# Altium PCB BOARD.PcbDoc
Units mm, origin at the board's own origin, x right, y up, seen from the top; angles counter-clockwise.
Board outline 13 x 11 mm, 2 copper layers (Top Layer, Bottom Layer), stack 1.18 mm thick; 15 components, 9 nets, 48 pads, 30 vias.
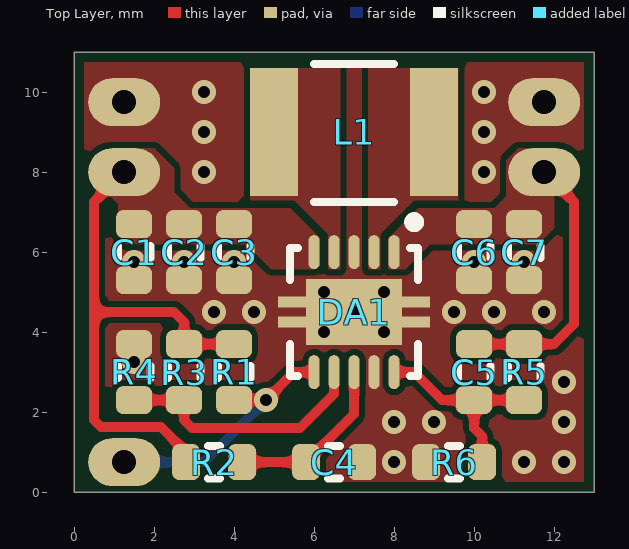
[diagram p0: Top Layer view]
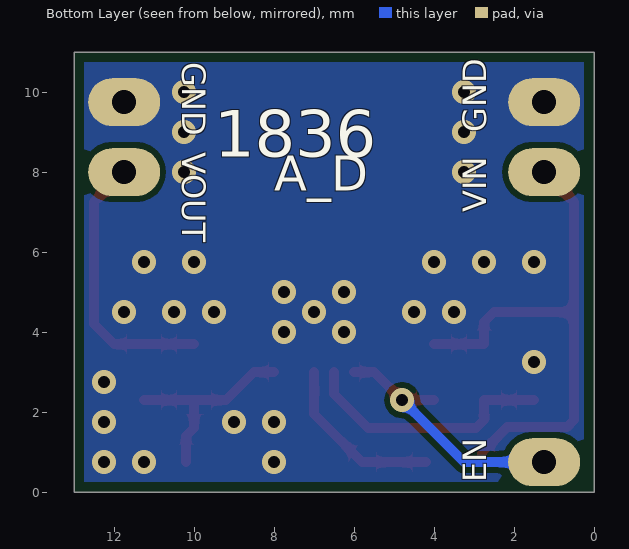
[diagram p1: Bottom Layer view, seen from below]
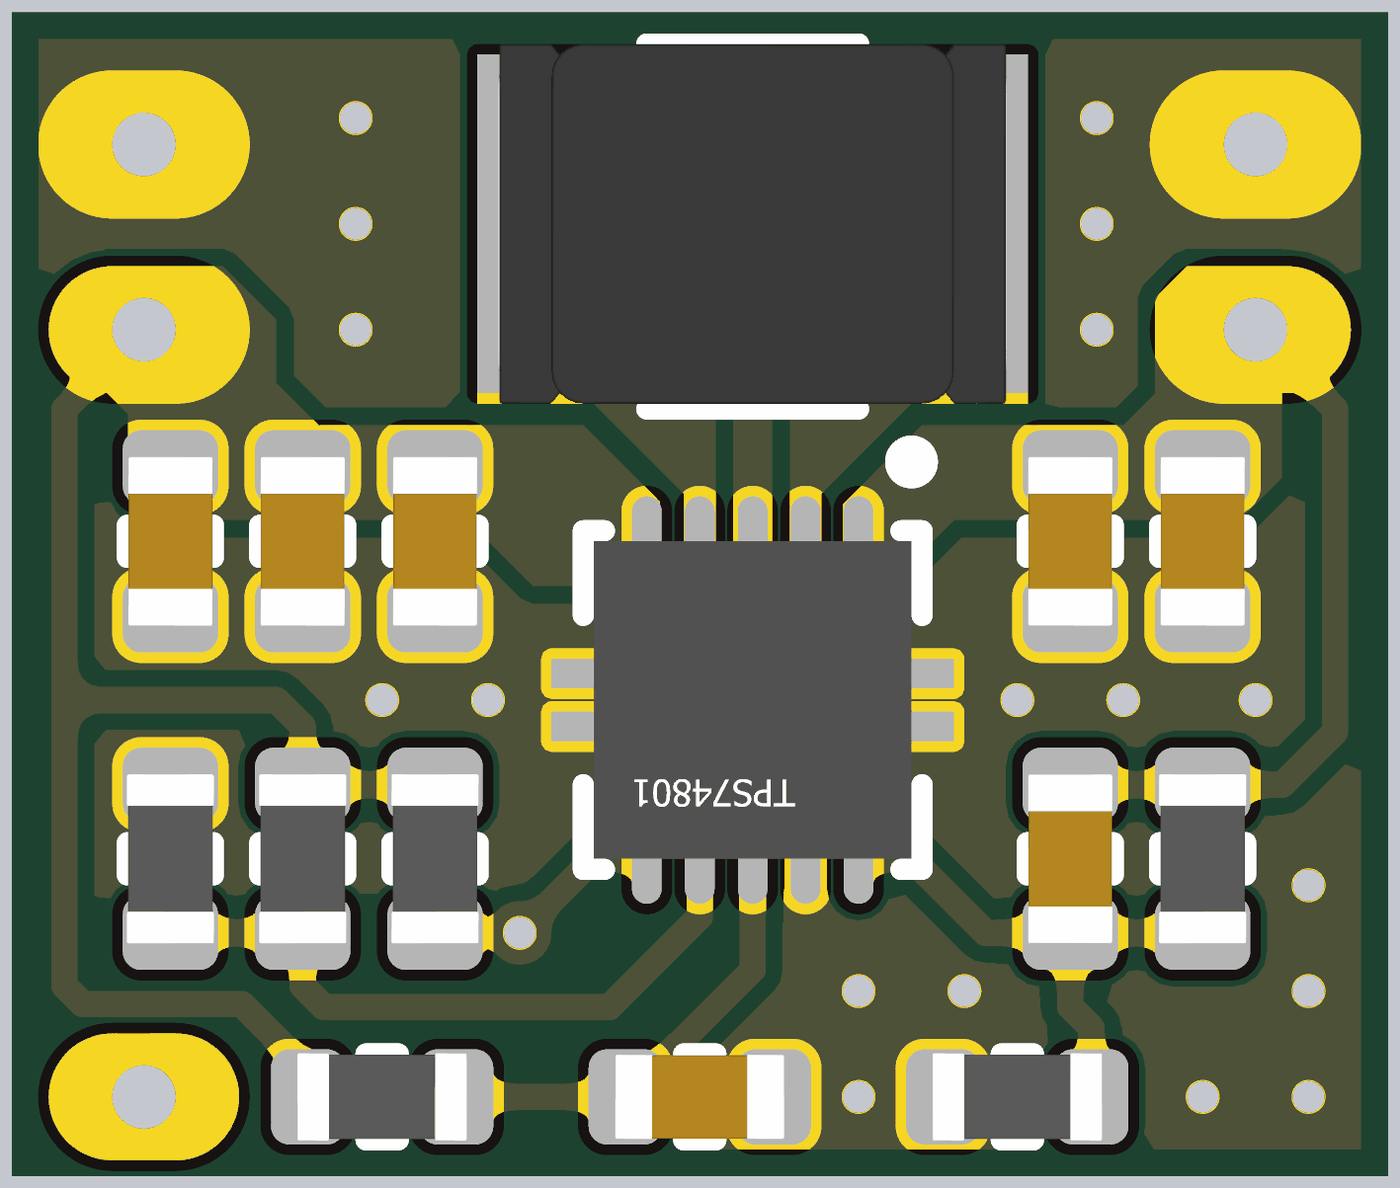
[diagram p2: 3D render of the assembled board from above, using the file's embedded part models]

## Layer stack, top to bottom
Top Solder: solder mask 0.01, Solder Resist, Dk 3.5
Top Layer: signal copper 0.03
Dielectric1: core 1.12, FR-4, Dk 4.2
Bottom Layer: signal copper 0.03
Bottom Solder: solder mask 0.01, Solder Resist, Dk 3.5

## Board outline
0,0 13,0 13,11 0,11

## Design rules (kind name [scope] priority, off if disabled: settings)
BoardOutlineClearance [All] p1: gap=0.25 ignorepadtopadclearanceinfootprint=FALSE
Clearance [All] p1: gap=0.152 ignorepadtopadclearanceinfootprint=FALSE
ComponentClearance [All] p1 off: gap=0.25 collisioncheckmode=3 verticalgap=0.25 showdistances=FALSE
DiffPairsRouting [All] p1: maxlimit=0.4 minlimit=0.15 mostfreqgap=0.25 toplayer_minwidth=0.2 toplayer_maxwidth=0.4 toplayer_prefwidth=0.25 bottomlayer_minwidth=0.2 bottomlayer_maxwidth=0.4 bottomlayer_prefwidth=0.25 maxuncoupledlength=12
Height [All] p1: minheight=0 maxheight=25 prefheight=25
HoleSize [All] p1: absolutevalues=TRUE maxlimit=6 minlimit=0.3 maxpercent=80.000 minpercent=20.000
HoleToHoleClearance [All] p1: gap=0.25 allowstackedmicrovias=TRUE
MinimumSolderMaskSliver [All] p1 off: minsoldermaskwidth=0.254
PlaneClearance [All] p1: clearance=0.5
PlaneConnect [All] p1: planeconnectstyle=Relief reliefexpansion=0.5 reliefentries=4 reliefconductorwidth=0.25 reliefairgap=0.25
PolygonConnect "Schematic Polygon Connect Style_4" [InNet('NetDA1_4')] p1: connectstyle=Direct reliefconductorwidth=0.254 reliefentries=4 polygonreliefangle="45 Angle" airgapwidth=0.254
PolygonConnect "Schematic Polygon Connect Style_3" [InNet('VCCIN')] p2: connectstyle=Direct reliefconductorwidth=0.254 reliefentries=4 polygonreliefangle="45 Angle" airgapwidth=0.254
PolygonConnect "Schematic Polygon Connect Style_2" [InNet('NetDA1_2')] p3: connectstyle=Direct reliefconductorwidth=0.254 reliefentries=4 polygonreliefangle="45 Angle" airgapwidth=0.254
PolygonConnect "Schematic Polygon Connect Style_1" [InNet('VCC3P3')] p4: connectstyle=Direct reliefconductorwidth=0.254 reliefentries=4 polygonreliefangle="45 Angle" airgapwidth=0.254
PolygonConnect "Schematic Polygon Connect Style" [InNet('GND')] p5: connectstyle=Direct reliefconductorwidth=0.254 reliefentries=4 polygonreliefangle="45 Angle" airgapwidth=0.254
PolygonConnect PolygonConnect_DirectConnect [InComponentClass('DirectConnect')] p6: connectstyle=Direct reliefconductorwidth=0.254 reliefentries=4 polygonreliefangle="90 Angle" airgapwidth=0.254
PolygonConnect PolygonConnect_Components [InComponent('C*') OR InComponent('R*') OR InComponent('NR*') OR InComponent('DA*') OR InComponent('DD*') OR InComponent('HL*')] p7: connectstyle=Relief reliefconductorwidth=0.2 reliefentries=4 polygonreliefangle="90 Angle" airgapwidth=0.25
PolygonConnect PolygonConnect_Connectors [All vs (InPadClass('All Pads'))] p8: connectstyle=Relief reliefconductorwidth=0.6 reliefentries=4 polygonreliefangle="90 Angle" airgapwidth=0.3
PolygonConnect PolygonConnect_Via [All] p9: connectstyle=Direct reliefconductorwidth=0.254 reliefentries=4 polygonreliefangle="90 Angle" airgapwidth=0.254
RoutingCorners [All] p1: cornerstyle=45-Degree minsetback=1.5 maxsetback=3.5
RoutingVias [All] p1: holewidth=0.6 width=1.2 viastyle="Through Hole" minholewidth=0.3 minwidth=0.6 maxholewidth=1 maxwidth=2
SMDEntry [All] p1: side=TRUE corner=TRUE anyangle=TRUE
SilkToSilkClearance [All] p1 off: silktosilkclearance=0.254
SilkToSolderMaskClearance [IsPad] p1 off: minsilkscreentomaskgap=0.254 clearancetoexposedcopper=TRUE
SolderMaskExpansion [All] p1: expansion=0.1
Width [All] p1: maxlimit=8 minlimit=0.2 preferedwidth=0.6
Width Width_TrackEnds [All] p2 off: maxlimit=0.25 minlimit=0.25 preferedwidth=0.25 checkconnectedcopper=TRUE
19 further rules are at their usual default settings.

## Components (designator, comment, footprint, x,y, rotation, side; value= is the part's Value field where it differs from the comment)
C1 "Capacitor" C0603_L 1.5,6 r90 top value=10uF
C2 "Capacitor" C0603_L 2.75,6 r90 top value=10uF
C3 "Capacitor" C0603_L 4,6 r90 top value=0.1uF
C4 "Capacitor" C0603_L 6.5,0.75 r0 top value=0.1uF
C5 "Capacitor" C0603_L 10,3 r90 top value=100pF
C6 "Capacitor" C0603_L 10,6 r90 top value=10uF
C7 "Capacitor" C0603_L 11.25,6 r90 top value=10uF
DA1 "TPS6300x" VSON-10_050P300X300X100_N 7,4.5 r180 top locked value=TPS63000DRCR
L1 "Coil" LQH43CN-SERIES 7,9 r0 top locked value=LQH43CN2R2M03L
R1 "Resistor" R0603_L 4,3 r90 top value=0
R2 "Resistor" R0603_L 3.5,0.75 r0 top value=100
R3 "Resistor" R0603_L 2.75,3 r90 top value=0
R4 "Resistor" R0603_L 1.5,3 r270 top value=0
R5 "Resistor" R0603_L 11.25,3 r90 top value=1meg
R6 "Resistor" R0603_L 9.5,0.75 r0 top value=180k

## Footprints (in the part's own frame and the unit in brackets; to place one, negate y for a bottom-side part, rotate by r counter-clockwise, add the part's x,y. Pads: shape width x height; smd on the part's side, far side on the other; paste and mask are expansions set on the pad)
C0603_L [mm] "Chip Capacitor; Body 1.6 x 0.8 mm (LxW typ)"
  rrect50% 0.7x0.9 smd: 1(-0.7,0) 2(0.7,0)
  silkscreen extent -0.15,-0.41 0.15,0.41, body extent -0.8,-0.4 0.8,0.4, height 0.91
LQH43CN-SERIES [mm]
  rect 1.2x3.2 smd: 1(-2,0) 2(2,0)
  silkscreen extent -1,-1.75 1,1.7, body extent -2.4,-1.7 2.4,1.7, height 2.75
R0603_L [mm] "Chip Resistor; Body 1.6 x 0.8 mm (LxW typ)"
  rrect50% 0.7x0.9 smd: 1(-0.7,0) 2(0.7,0)
  silkscreen extent -0.15,-0.41 0.15,0.41, body extent -0.8,-0.41 0.8,0.41, height 0.46
VSON-10_050P300X300X100_N [mm]
  oval 0.28x0.85 smd: 1(-1,-1.5) 2(-0.5,-1.5) 3(0,-1.5) 4(0.5,-1.5) 5(1,-1.5) 6(1,1.5) 7(0.5,1.5) 8(0,1.5) 9(-0.5,1.5) 10(-1,1.5)
  rect 0.7x0.28 smd: TP(-1.55,-0.25) TP(-1.55,0.25) TP(1.55,-0.25) TP(1.55,0.25)
  rect 2.4x1.65 smd: TP(0,0)
  silkscreen extent -1.63,-2.37 1.6,1.6, body extent -1.5,-1.5 1.5,1.5, height 0.99

## Part data
C1 C2 C6 C7: library part GRM188R61E106MA73D, Dielectric Type=X5R, Manufacturer=Murata, Tolerance=±20%, Voltage=25V, Working Temperature Max=+85°С, Working Temperature Min=-55°С, Application Category=1, ID=165, Part Number=GRM188R61E106MA73D, Published=18.05.2010, Publisher="Andrew Danich", Type=Конденсатор
C3 C4: library part GRM188R72A104KA35D, Dielectric Type=X7R, Manufacturer=Murata, Tolerance=±10%, Voltage=100V, Working Temperature Max=+125°С, Working Temperature Min=-55°С, Application Category=1, ID=232, Part Number=GRM188R72A104KA35D, Published=18.05.2010, Publisher="Andrew Danich", Type=Конденсатор
C5: library part GCM1885C2A101JA16D, Dielectric Type=NP0, Manufacturer=Murata, Tolerance=±5%, Voltage=100V, Working Temperature Max=+125°С, Working Temperature Min=-55°С, Application Category=1, ID=155, Part Number=GCM1885C2A101JA16D, Published=18.05.2010, Publisher="Andrew Danich", Type=Конденсатор
DA1: library part TPS63000DRCR, Frequency=1.2MHz, Input Voltage=+1.8…5.5V, Manufacturer="Texas Instruments", Output Current=800mA\1.2A, Output Voltage=+1.2…5.5V, Working Temperature Max=+85°С, Working Temperature Min=-40°С, Application Category=1, Efficiency=96%, Functional Analog=TPS63000DRCT, ID=25, Part Number=TPS63000DRCR, Published=23.08.2017, Publisher="Andrew Danich", Shutdown Input=YES, Type=Микросхема
L1: library part LQH43CN2R2M03L, DC Resistance=0.11ohm, Inductance=2.2uH, Manufacturer="Murata Electronics", Rated Current=900mA, Self-Resonant Frequency=60MHz, Tolerance=±20%, Working Temperature Max=+85°С, Working Temperature Min=-25°С, Application Category=1, ID=97, Part Number=LQH43CN2R2M03L, Published=20.05.2010, Publisher="Andrew Danich", Type=Дроссель
R1 R3 R4: library part RC0603JR-070R, Limit Voltage=50V, Manufacturer=Yageo, Temperature Coefficient=100ppm, Tolerance=±5%, Total Power Dissipation=0.1W, Working Temperature Max=+155°С, Working Temperature Min=-55°С, Application Category=1, Functional Analog="RC0603FR-070RL, CR0603-J/-000E", ID=5, Part Number=RC0603JR-070R, Published=24.03.2010, Publisher="Andrew Danich", Series Type=Thick-Film, Type=Резистор
R2: library part RC0603JR-07100R, Limit Voltage=50V, Manufacturer=Yageo, Temperature Coefficient=100ppm, Tolerance=±5%, Total Power Dissipation=0.1W, Working Temperature Max=+155°С, Working Temperature Min=-55°С, Application Category=1, Functional Analog=CR0603-JW-101E, ID=10, Part Number=RC0603JR-07100R, Published=24.03.2010, Publisher="Andrew Danich", Series Type=Thick-Film, Type=Резистор
R5: library part RC0603JR-071ML, Limit Voltage=50V, Manufacturer=Yageo, Temperature Coefficient=100ppm, Tolerance=±5%, Total Power Dissipation=0.1W, Working Temperature Max=+155°С, Working Temperature Min=-55°С, Application Category=1, ID=20, Part Number=RC0603JR-071ML, Published=24.03.2010, Publisher="Andrew Danich", Series Type=Thick-Film, Type=Резистор
R6: library part RC0603JR-07180KL, Limit Voltage=50V, Manufacturer=Yageo, Temperature Coefficient=100ppm, Tolerance=±5%, Total Power Dissipation=0.1W, Working Temperature Max=+155°С, Working Temperature Min=-55°С, Application Category=1, ID=17, Part Number=RC0603JR-07180KL, Published=24.03.2010, Publisher="Andrew Danich", Series Type=Thick-Film, Type=Резистор

## Free pads (board coordinates)
  oval 1.8x1.2 hole 0.6: 1(1.25,0.75) 1(1.25,8) 1(1.25,9.75) 1(11.75,8) 1(11.75,9.75)

## Via types
v1: diameter 0.6, hole 0.3, Top Layer to Bottom Layer, tented both sides, 30 vias

## Nets (pads, with @x,y where several pads share a name; then routed paths per layer and width w, separated by ;. In a path a pad name is that pad's centre, name@x,y a point inside that pad or via, vN(x,y) a via of type N, cw(c..) or ccw(c..) an arc to the next point about the centre after c; other vN are vias at no path point)
EN: DA1.6 pad.1@1.25,0.75 R1.1 | length 6.5
  Top Layer w0.25: R1.1 v1(4.8,2.3) 5.5,3 DA1.6
  Bottom Layer w0.25: pad.1@1.25,0.75 3.25,0.75 v1(4.8,2.3)
GND: C1.1 C2.1 C3.1 C4.2 C6.1 C7.1 DA1.3 DA1.9 DA1.TP pad.1@1.25,9.75 pad.1@11.75,9.75 R4.1 R6.1
  other v1: 8,0.75 11.25,0.75 12.25,0.75 8,1.75 9,1.75 12.25,1.75 12.25,2.75 1.5,3.25 6.25,4 7.75,4 3.5,4.5 4.5,4.5 7,4.5 9.5,4.5 10.5,4.5 11.75,4.5 6.25,5 7.75,5 1.5,5.75 2.75,5.75 4,5.75 10,5.75 11.25,5.75 3.25,8 10.25,8 3.25,9 10.25,9 3.25,10 10.25,10
NetC4_1: C4.1 DA1.8 R2.2 | length 4.3
  Top Layer w0.25: R2.2 C4.1 7,1.95 DA1.8
NetC5_1: C5.1 DA1.10 R5.1 R6.2 | length 5.2
  Top Layer w0.25: DA1.10 8.5,3 9.2,2.3 C5.1 ; R6.2 10.2,1.4 10,1.6 C5.1 ; R5.1 C5.1
NetDA1_2: DA1.2 L1.2
NetDA1_4: DA1.4 L1.1
NetDA1_7: DA1.7 R3.1 R4.2 | length 6.5
  Top Layer w0.25: R4.2 R3.1 2.75,1.8 2.95,1.6 5.65,1.6 6.5,2.45 DA1.7
VCC3P3: C5.2 C6.2 C7.2 DA1.1 pad.1@11.75,8 R5.2 | length 6.8
  Top Layer w0.25: C5.2 R5.2 12,3.7 12.5,4.2 12.5,7.25 pad.1@11.75,8
VCCIN: C1.2 C2.2 C3.2 DA1.5 pad.1@1.25,8 R1.2 R2.1 R3.2 | length 13.5
  Top Layer w0.25: pad.1@1.25,8 0.5,7.25 0.5,4.5 ; R2.1 2.8,1 2.173,1.627 0.673,1.627 0.5,1.8 0.5,4.5 ; R1.2 R3.2 2.75,4.25 2.5,4.5 0.5,4.5

## Polygon pours and split planes (outlines as drawn)
GND on Bottom Layer "Bottom Layer-GND" (solid, pour order 32): 0,11 13,11 13,0 0,0
GND on Top Layer "Top Layer-GND" (solid, pour order 42): 0,11 0,0 13,0 13,11
VCC3P3 on Top Layer "Top Layer-VCC3P3" (solid, pour order 40): 7.85,5.575 7.85,6.35 8.6,7.1 10.5,7.1 10.8,7.4 10.8,8.3 11.1,8.6 12,8.6 12,6.6 11.6,6.2 8.9,6.2 8.275,5.575
NetDA1_2 on Top Layer "Top Layer-NetDA1_2" (solid, pour order 38): 7.35,5.575 7.35,10.6 9.6,10.6 9.6,7.3 8.5,7.3 7.65,6.45 7.65,5.575
NetDA1_4 on Top Layer "Top Layer-NetDA1_4" (solid, pour order 36): 6.35,5.575 6.35,6.45 5.5,7.3 4.4,7.3 4.4,10.6 6.65,10.6 6.65,5.575
VCCIN on Top Layer "Top Layer-VCCIN" (solid, pour order 34): 6.125,5.575 6.125,6.375 5.4,7.1 2.9,7.1 2.5,7.5 2.5,8.1 2,8.6 0.9,8.6 0.9,7.4 1.1,7.2 1.1,6.4 1.3,6.2 4.3,6.2 4.925,5.575

## Silkscreen, mask and mechanical layers (free items; w line width, h text height)
Bottom Overlay:
  text "GND" at 10.5,10.75 h1 r90
  text "GND" at 2.5,9 h1 r270
  text "VOUT" at 10.5,8.5 h1 r90
  text "1836" at 9.5,8 h2
  text "A_D" at 8,7.25 h1.5
  text "VIN" at 2.5,7 h1 r270
  text "EN" at 2.5,0.25 h1 r270
1 - Board Outline:
  the board outline again, w0.1